# Altium PCB MODULE_GSM_GNSS_v1.1.PcbDoc (part 2 of 2) (continued)
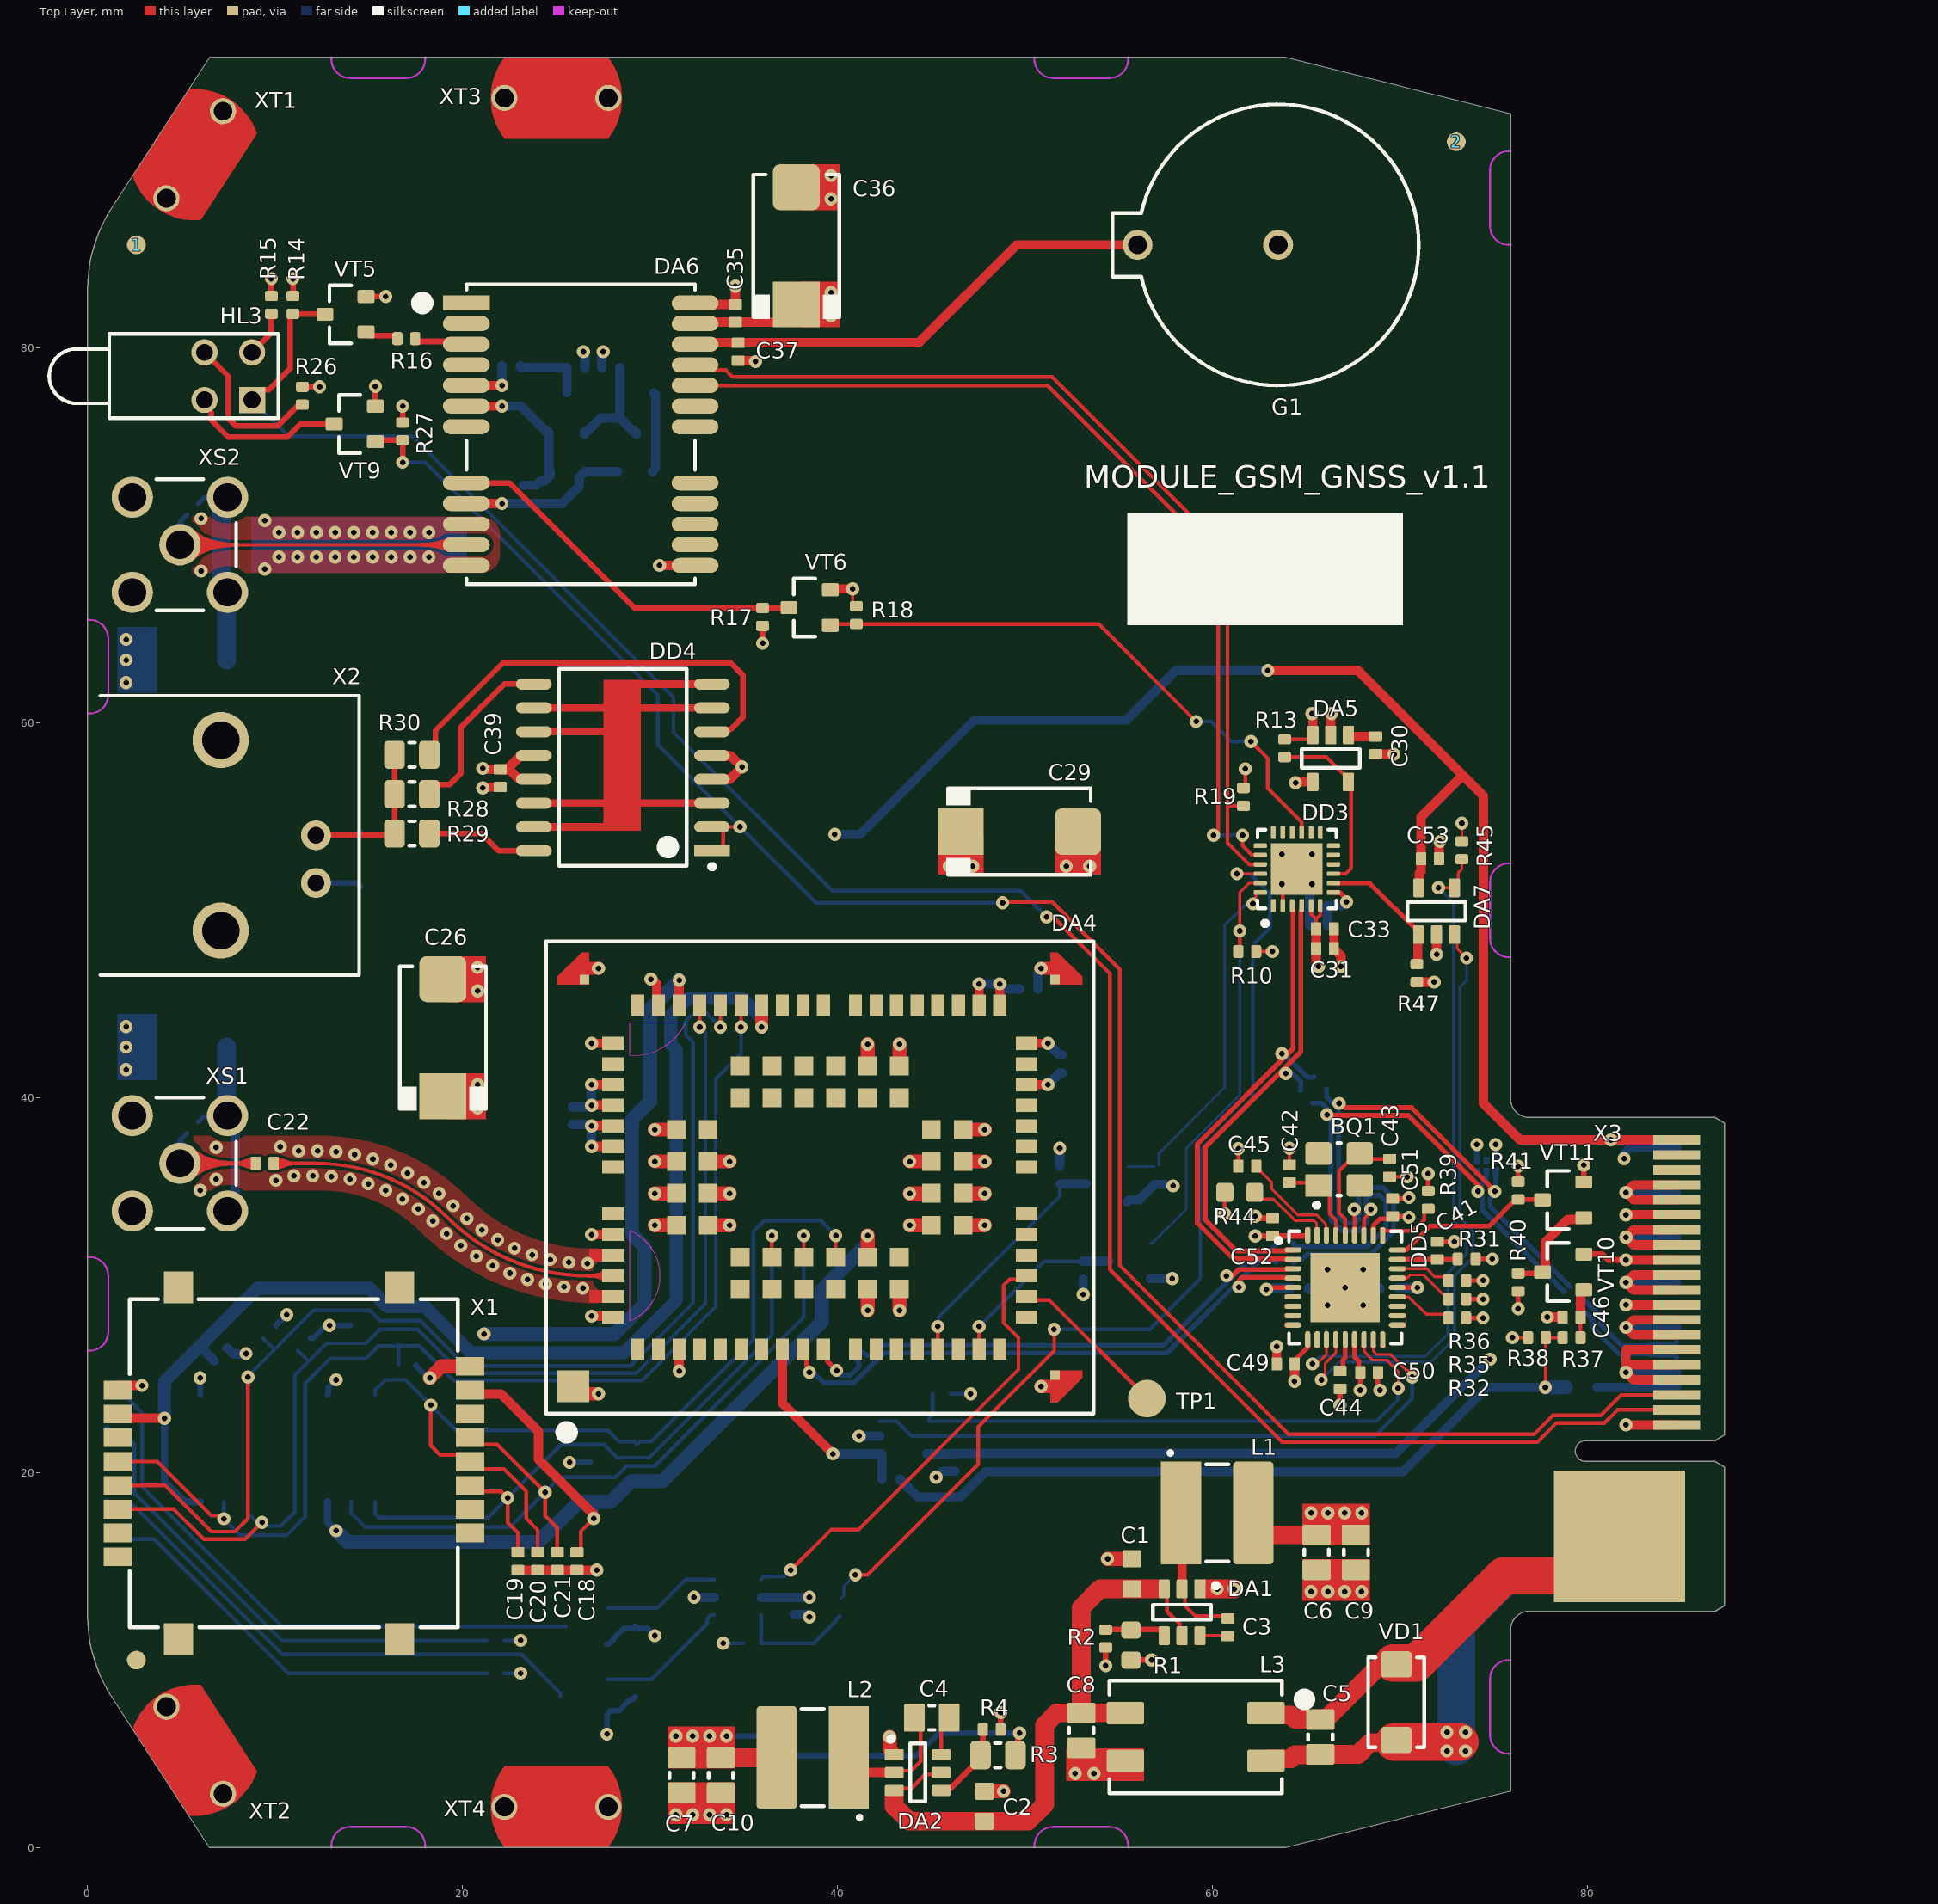
[diagram p0: Top Layer view]
## Nets (pads, with @x,y where several pads share a name; then routed paths per layer and width w, separated by ;. In a path a pad name is that pad's centre, name@x,y a point inside that pad or via, vN(x,y) a via of type N, cw(c..) or ccw(c..) an arc to the next point about the centre after c; other vN are vias at no path point) (continued)
  Top Layer w0.15: DD5.22@69.85,29.375 70.475,29.375 71.4,28.45 72.378,28.45 72.575,28.253 R32.2@72.575,28.25
NetDD5_24: DD5.24 R35.2 | length 3.4
  Top Layer w0.15: DD5.24@69.851,30.376 70.376,30.376 70.55,30.55 71.25,30.55 72.302,29.498 72.378,29.498 72.575,29.301 R35.2@72.575,29.25
NetDD5_25: DD5.25 R36.2 | length 3
  Top Layer w0.15: DD5.25@69.85,30.875 71.425,30.875 71.85,30.45 72.378,30.45 72.575,30.253 R36.2@72.575,30.25
NetDD5_27: DD5.27 R41.1 VT11.3 | length 8.9
  Top Layer w0.25: DD5.27@69.85,31.875 69.856,31.881 70.331,31.881 71.6,33.15 74.75,33.15 76.175,34.575 R41.1@76.3,34.575 77.575,34.575 VT11.3@77.6,34.55
NetDD5_28: DD5.28 R39.2 | length 3.4
  Top Layer w0.2: DD5.28@69.075,32.65 69.075,32.863 69.112,32.9 70.7,32.9 71.3,33.5 R39.2@71.3,34.15
NetDD5_35: DD5.35 R44.2 | length 4.5
  Top Layer w0.15: R44.2@62.2,34.6 63.25,34.6 64.4,33.45 65.4,33.45 65.55,33.3 65.55,32.675 DD5.35@65.575,32.65
NetHL1_A: HL1.A R5.1 | length 26.5
  Bottom Layer w0.2: HL1.A@1,22.45 1.3,22.15 1.85,22.15 2.5,21.5 2.5,18.9 10.35,11.05 R5.1@21.275,11.05
NetHL1_C: HL1.C VT1.3 | length 32.1
  Bottom Layer w0.2: HL1.C@1,24.55 1.287,24.263 1.837,24.263 2.9,23.2 2.9,19.25 10.35,11.8 VT1.3@25.5,11.8
NetHL2_A: HL2.A R7.1 | length 23.3
  Bottom Layer w0.2: HL2.A@1,16.45 3.55,16.45 10.7,9.3 R7.1@21.3,9.3
NetHL2_C: HL2.C VT2.3 | length 28.7
  Bottom Layer w0.2: HL2.C@1,18.55 1.3,18.25 2.45,18.25 10.4,10.3 23.15,10.3 25.2,8.25 VT2.3@25.2,8.05
NetHL3_A1: HL3.A1 R15.1 | length 2.4
  Top Layer w0.3: HL3.A1@8.77,79.77 9.8,80.8 R15.1@9.8,81.75
NetHL3_A2: HL3.A2 R26.1 | length 8.6
  Top Layer w0.3: HL3.A2@6.23,79.77 7.5,78.5 7.5,76.25 7.9,75.85 10.15,75.85 11.275,76.975 R26.1@11.45,76.975
NetHL3_C2: HL3.C2 VT9.3 | length 8.4
  Top Layer w0.3: HL3.C2@6.23,77.23 6.23,76.932 6.6,76.562 6.6,76.15 7.5,75.25 10.65,75.25 11.35,75.95 VT9.3@13.15,75.95
NetR16_2: R16.2 VT5.1 | length 1.8
  Top Layer w0.3: VT5.1@14.85,80.85 15.05,80.65 16.4,80.65 16.525,80.525 R16.2@16.525,80.5
NetR21_2: R21.2 VT7.2 | length 4.3
  Bottom Layer w0.5: R21.2@30.13,73.4 30.3,73.57 30.3,77.5 VT7.2@30.2,77.6
NetR22_1: R22.1 VT7.1 VT7.3 VT8.1 | length 6.3
  Bottom Layer w0.5: VT8.1@26.5,75.4 26.5,75.5 26.6,75.6 26.7,75.6 27.375,76.275 28.375,76.275 ; R22.1@28.375,78.95 28.375,76.275 ; VT7.3@29.25,75.4 29.25,75.5 29.15,75.6 29.05,75.6 28.375,76.275
NetR23_2: R23.2 R24.2 VT8.3 | length 3.9
  Bottom Layer w0.5: R24.2@23.075,79.05 23.075,78.98 23.1,78.955 23.17,78.955 23.175,78.95 R23.2@25.575,78.95 VT8.3@25.575,77.625
NetR28_2: R28.2 R29.2 R30.2 VD5.C X2.1 | length 10.7
  Top Layer w0.3: X2.1@12.18,54 R29.2@16.22,54 ; R29.2@16.37,54.1 R28.2@16.37,56.2 R30.2@16.37,58.3
  Bottom Layer w0.3: X2.1@12.18,54 14.375,54 VD5.C@14.55,54.175
NetR40_2: R40.2 VT10.3 VT11.1 | length 5.5
  Top Layer w0.3: R40.2@76.3,30.625 VT10.3@77.525,30.625
  Top Layer w0.5: VT10.3@77.6,30.7 77.65,30.7 77.75,30.8 77.75,32.3 78.95,33.5 79.7,33.5 VT11.1@79.8,33.6
PPS_IN: HL3.C1 R14.1 VT5.3 X3.3 | length 117.4
  Top Layer w0.2: v1(51.15,49.65) 51.5,49.65 54.52,46.63 54.52,30.83 63.724,21.626 77.326,21.626 78.35,22.65 80.9,22.65 81.6,23.35 X3.3@84.75,23.35
  Top Layer w0.3: HL3.C1@8.77,77.23 9.308,77.768 9.668,77.768 10.8,78.9 R14.1@10.8,81.8 ; R14.1@10.975,81.8 VT5.3@12.65,81.8
  Bottom Layer w0.2: HL3.C1@8.77,77.23 10.7,75.3 17.3,75.3 31.25,61.35 31.25,59.5 39.7,51.05 49.75,51.05 v1(51.15,49.65)
PPS_OUT: DD4.1 DD4.2 R27.1 VT9.1 X3.5 | length 106.5
  Top Layer w0.2: DD4.2@33.3,54.45 DD4.2@33.9,54.45 ; DD4.1@33.9,53.18 DD4.2@33.9,54.45 ; v1(34.8,54.45) DD4.2@33.9,54.45 ; v1@48.7,50.45 51.45,50.45 55.05,46.85 55.05,31.05 64.05,22.05 77.15,22.05 78.15,23.05 80.7,23.05 81.8,24.15 X3.5@84.75,24.15
  Top Layer w0.3: VT9.1@15.425,75.075 R27.1@16.8,75.075 v1(16.8,73.9)
  Bottom Layer w0.2: v1(16.8,73.9) 18,73.9 30.405,61.495 30.405,58.845 v1(34.8,54.45) 38.85,50.4 v1(48.8,50.4)
SHIELD: C27.1 C40.1 XT1.1 XT2.1 XT3.1 XT4.1
  other v1: 2.05,41.5 2.05,42.7 2.05,43.8 2.05,62.15 2.05,63.35 2.05,64.45
SIM1_CLK: C17.1 DA4.46 DD1.6 VD2.1 X1.B3 | length 62
  Top Layer w0.2: X1.B3@1.6,18.05 4.6,18.05 6.2,16.45 8.4,16.45 v1(9.3,17.35) ; v1(32.65,43.775) DA4.46@32.65,44.925
  Bottom Layer w0.2: DD1.6@8.535,18.45 8.535,17.865 9.25,17.15 10.3,17.15 11.05,17.9 11.05,25.2 12.75,26.9 VD2.1@14,26.9 14.85,26.9 15.6,27.65 17.6,27.65 19.95,25.3 29.25,25.3 32.95,29 32.95,43.475 v1(32.65,43.775) ; C17.1@11.214,26.514 11.775,25.953
SIM1_IO: C15.1 DA4.45 DD1.3 VD2.3 X1.B7 | length 64.1
  Top Layer w0.2: X1.B7@1.6,19.32 4.13,19.32 6.6,16.85 7.85,16.85 8.55,17.55 v1(8.55,25.1) ; v1(33.75,43.775) DA4.45@33.75,44.925
  Bottom Layer w0.2: DD1.3@8.535,24.15 8.535,25.135 12.05,28.65 15.05,28.65 15.6,28.1 17.75,28.1 20.15,25.7 28.95,25.7 32.3,29.05 32.3,42.95 31.9,43.35 31.9,44.1 32.3,44.5 33.025,44.5 v1(33.75,43.775) ; C15.1@9.364,27.164 9.95,26.578
SIM1_RST: C14.2 DA4.44 DD1.7 VD2.5 X1.B2 | length 62.9
  Top Layer w0.2: X1.B2@1.6,20.59 3.71,20.59 6.6,17.7 v1@7.3,17.7 ; v1(34.85,43.775) DA4.44@34.85,44.925
  Bottom Layer w0.2: DD1.7@7.265,18.45 v1(7.265,17.535) 8.15,16.65 10.6,16.65 11.6,17.65 11.6,24.75 12.95,26.1 14.85,26.1 15.5,26.75 VD2.5@16.575,26.75 ; C14.2@16.575,25.75 VD2.5@16.575,26.75 ; VD2.5@16.575,26.825 VD2.5@16.575,26.75 ; v1(34.85,43.775) 34.85,42.35 33.5,41 33.5,28.85 29.56,24.91 19.54,24.91 17.7,26.75 VD2.5@16.575,26.75
SIM1_VCC: C16.1 DA4.43 DD1.8 VD2.4 X1.B1 | length 65.8
  Top Layer w0.5: X1.B1@1.6,23.13 1.83,22.9 v1(4.1,22.9)
  Top Layer w0.7: v1(35.95,43.775) DA4.43@35.95,44.925
  Bottom Layer w0.4: v1(4.1,22.9) 4.1,19.5 5.15,18.45 DD1.8@5.995,18.45
  Bottom Layer w0.5: 6.053,26.675 C16.1@6.764,25.964
  Bottom Layer w0.7: v1(4.1,22.9) 4.1,24.85 9.1,29.85 15,29.85 16,28.85 18,28.85 20.45,26.4 28.6,26.4 31.4,29.2 31.4,42.55 31.1,42.85 31.1,44.4 32,45.3 34.9,45.3 35.95,44.25 v1(35.95,43.775)
SIM2_CLK: C19.1 DA4.84 DD2.6 VD3.3 X1.A3 | length 38.4
  Top Layer w0.2: X1.A3@20.4,19.32 20.72,19 22.05,19 v1(22.4,18.65) 22.4,17.35 22.95,16.8 C19.1@22.95,15.75 ; DA4.84@36.5,31.5 v1(36.5,32.65)
  Bottom Layer w0.2: DD2.6@15.335,18.45 15.335,17.815 15.55,17.6 21.35,17.6 v1(22.4,18.65) 25.25,21.5 27.55,21.5 28.25,20.8 29.95,20.8 36.5,27.35 v1(36.5,32.65)
SIM2_IO: C20.1 DA4.86 DD2.3 VD3.4 X1.A7 | length 48
  Top Layer w0.2: v1(18.3,23.6) 18.3,21.45 18.8,20.95 20.04,20.95 X1.A7@20.4,20.59 20.79,20.2 22.2,20.2 23.4,19 23.4,17.55 24,16.95 C20.1@24,15.75 ; DA4.86@39.9,31.5 v1(39.9,32.65)
  Bottom Layer w0.2: DD2.3@15.335,24.15 15.335,24.385 15.9,24.95 16.95,24.95 v1(18.3,23.6) 19.65,22.25 27.75,22.25 28.35,21.65 29.15,21.65 VD3.4@29.3,21.5 29.45,21.65 30.05,21.65 35.5,27.1 35.5,32.85 36.1,33.45 39.1,33.45 v1(39.9,32.65)
SIM2_RST: C21.1 DA4.85 DD2.7 VD3.1 X1.A2 | length 43.9
  Top Layer w0.2: X1.A2@20.4,21.86 20.76,21.5 21.85,21.5 v1(24.4,18.95) 24.4,17.7 25.05,17.05 C21.1@25.05,15.75 ; DA4.85@38.2,31.5 v1(38.2,32.65)
  Bottom Layer w0.2: DD2.7@14.065,18.45 14.065,17.835 14.8,17.1 22.55,17.1 v1(24.4,18.95) 25.2,19.75 28.15,19.75 28.75,20.35 30.25,20.35 38.2,28.3 v1(38.2,32.65)
SIM2_VCC: C18.2 DA4.87 DD2.8 VD3.5 X1.A1 | length 53
  Top Layer w0.2: C18.2@26.1,15.75 26.125,15.75 26.3,15.925 26.3,16.85 v1(27,17.55)
  Top Layer w0.5: X1.A1@20.4,24.4 20.6,24.2 22.05,24.2 24.05,22.2 24.05,20.7 27,17.75 v1(27,17.55)
  Top Layer w0.75: DA4.87@41.6,31.5 v1(41.6,32.65)
  Bottom Layer w0.4: DD2.8@12.795,18.45 12.795,17.355 v1(13.25,16.9)
  Bottom Layer w0.5: v1(27,17.55) 27,18.4
  Bottom Layer w0.75: v1(13.25,16.9) 13.85,16.3 24.05,16.3 26.2,18.45 27.9,18.45 29,19.55 30.65,19.55 39.15,28.05 39.15,29.75 41.6,32.2 v1(41.6,32.65)
SIM_GND: C14.1 C15.2 C16.2 C17.2 C18.1 C19.2 C20.2 C21.2 DA4.47 DD1.1 DD2.1 VD2.2 VD3.2 X1.A5 X1.B5 | length 45.4
  Top Layer w0.5: X1.B5@1.6,24.65 v1(2.9,24.65) ; C19.2@22.95,14.8 C21.2@25.05,14.8 v1(27.15,14.8) ; DA4.47@31.55,44.925 v1(31.55,46.275)
  Top Layer w0.75: v1(18.25,25.05) 18.87,25.67 X1.A5@20.4,25.67
  Bottom Layer w0.3: DD1.1@5.995,24.15 v1(5.995,25.055) ; C15.2@10.036,27.836 v1(10.625,28.425) ; C17.2@11.886,27.186 12.036,27.186 12.623,27.773 12.823,27.773 v1(12.9,27.85) VD2.2@14,27.85 ; DD2.1@12.795,24.15 12.845,24.2 12.845,24.545 v1(13.25,24.95) ; C14.1@17.525,25.75 17.525,25.68 18.055,25.15 v1@18.35,25.15 ; v1(25.7,20.55) VD3.2@26.8,20.55
  Bottom Layer w0.5: C16.2@7.436,26.636 7.471,26.636 7.779,26.328 8.272,26.328 v1@8.3,26.3
  Bottom Layer w0.75: v1(21.15,27.4) 28.1,27.4 29.7,29 29.7,32.05 29.05,32.7 29.05,38.85 30,39.8 30,44.725 v1(31.55,46.275)
  other v1: 8.45,26.35
USB1_D_N: DD3.4 DD5.1 R43.2 | length 25.6
  Top Layer w0.265: DD5.1@64.3,31.875 63.986,31.875 63.943,31.832 63.717,31.832 61.268,31.832 59.6,33.5 59.6,37.35 64.707,42.457 64.707,49.997 64.75,50.04 DD3.4@64.75,50.25
  Bottom Layer w0.265: v1@64.103,41.403 64.16,41.403 64.714,40.85 64.714,40.435 R43.2@64.664,40.386
  other v1: 63.9,41.3
USB1_D_P: DD3.3 DD5.2 R42.2 | length 26.9
  Top Layer w0.265: DD3.3@64.25,50.25 64.25,50.04 64.293,49.997 64.293,42.629 59.185,37.522 59.185,33.328 61.096,31.418 63.545,31.418 63.943,31.418 63.986,31.375 DD5.2@64.3,31.375
  Bottom Layer w0.265: v1@63.922,42.172 63.978,42.172 65.064,41.086 65.365,41.086 R42.2@65.414,41.136
  other v1: 63.7,42.35
USB1_VCC: DA7.1 DD3.8 R47.1 | length 7.4
  Top Layer w0.25: DD3.8@66.45,51.45 68.375,51.45 71,48.825 DA7.1@71,48.7
  Top Layer w0.5: R47.1@70.85,47.125 R47.1@70.9,47.125 70.92,47.125 70.945,47.15 70.945,47.22 70.95,47.225 70.95,48.65 DA7.1@71,48.7
USB2_D_N: DA4.10 DD5.3 R49.1 | length 32.1
  Top Layer w0.265: DA4.10@39.25,26.575 39.468,26.357 39.468,25.932 v1(39.95,25.45) ; v1(60.75,30.5) 61.064,30.5 61.396,30.832 63.943,30.832 63.986,30.875 DD5.3@64.3,30.875
  Bottom Layer w0.265: v1@40.1,25.2 40.7,25.2 41.075,25.575 ccw(c40.888,25.762) 41.075,25.949 41.016,26.009 cw(c41.203,26.196) 41.016,26.383 cw(c41.203,26.196) 41.39,26.383 41.449,26.324 ccw(c41.636,26.511) 41.824,26.324 42,26.5 42.3,26.8 57.4,26.8 62.415,31.815 63.01,31.815 63.375,32.18 R49.1@63.375,32.25
USB2_D_P: DA4.9 DD5.4 R48.1 | length 32.7
  Top Layer w0.265: DA4.9@38.15,26.575 38.35,26.375 38.35,25.723 38.417,25.656 38.417,25.433 v1(38.5,25.35) ; v1(61.4,29.9) 61.4,30.25 61.568,30.418 63.943,30.418 63.986,30.375 DD5.4@64.3,30.375
  Bottom Layer w0.265: v1(38.5,25.35) 38.7,25.35 39.265,24.785 40.872,24.785 42.472,26.385 57.572,26.385 62.586,31.4 63.245,31.4 63.375,31.27 R48.1@63.375,31.2
USB2_VCC: DA4.8 DA8.1 R50.1 | length 10.6
  Top Layer w0.5: DA4.8@37.05,26.575 37.05,23.7 v1(39.75,21)
  Bottom Layer w0.5: v1(39.75,21) DA8.1@42.25,21 ; DA8.1@42.325,21 42.375,20.95 R50.1@42.375,19.65
USB_HOSR_PWR: L4.1 X3.8 | length 4.3
  Bottom Layer w0.5: L4.1@80.5,24.55 X3.8@84.75,24.55
USB_HOST_D_N: R33.1 X3.12 | length 6.7
  Bottom Layer w0.265: R33.1@79.465,28.985 80.285,28.165 80.285,27.728 81.671,26.343 83.296,26.343 83.371,26.268 84.632,26.268 X3.12@84.75,26.15
USB_HOST_D_P: R34.1 X3.14 | length 6.4
  Bottom Layer w0.265: R34.1@79.758,29.278 80.7,28.336 80.7,27.9 81.843,26.757 83.296,26.757 83.371,26.832 84.632,26.832 X3.14@84.75,26.95
USB_RESET: DA5.5 DD3.9 R13.1 | length 9.8
  Top Layer w0.2: R13.1@63.85,58.175 66.075,58.175 67,57.25 67.05,57.25 67.25,57.05 DA5.5@67.25,56.85 67.4,56.7 67.4,52.25 67.1,51.95 DD3.9@66.45,51.95
VIN+: C5.2 L3.2 VD1.2 X3.P1 | length 23.2
  Top Layer w1: L3.2@62.85,7.17 62.95,7.07 64.18,7.07 64.399,6.851 65.729,6.851 C5.2@65.75,6.83 65.8,6.88 66.08,6.88 68.765,9.565 69.6,9.565 VD1.2@69.8,9.765
  Top Layer w2: VD1.2@69.65,9.85 70.885,9.85 75.535,14.5 79.6,14.5 X3.P1@81.7,16.6
VIN-: C5.1 L3.1 VD1.1 X3.P2 | length 28
  Top Layer w1: L3.1@62.85,4.63 62.95,4.73 64.18,4.73 64.399,4.949 65.729,4.949 C5.1@65.75,4.97 67.77,4.97 68.398,5.598 69.663,5.598 69.7,5.635 VD1.1@69.8,5.735
  Top Layer w2: VD1.1@69.7,5.635 73.185,5.635
  Bottom Layer w2: 73,5.4 73,11.9 75.6,14.5 79.6,14.5 X3.P2@81.7,16.6
  other v1: 72.5,5.15 73.5,5.15 72.5,6.15 73.5,6.15
pads on no net: 1.FM 2.FM 3.FM 4.FM 5.FM ?.FM BQ1.2 BQ1.4 DA4.1 DA4.2 DA4.4 DA4.5 DA4.6 DA4.7 DA4.11 DA4.12 DA4.13 DA4.14 DA4.16 DA4.18 DA4.19 DA4.22 DA4.23 DA4.24 DA4.25 DA4.26 DA4.27 DA4.28 DA4.30 DA4.34 DA4.35 DA4.36 DA4.37 DA4.38 DA4.39 DA4.40 DA4.41 DA4.42 DA4.49 DA4.51 DA4.56 DA4.57 DA4.63 DA4.64 DA4.65 DA4.66 DA4.75 DA4.76 DA4.77 DA4.78 DA4.83 DA4.88 DA4.92 DA4.93 DA4.94 DA4.95 DA4.96 DA4.97 DA4.98 DA4.99 DA6.1 DA6.2 DA6.4 DA6.7 DA6.14 DA6.15 DA6.16 DA6.17 DA6.18 DA6.19 DD1.2 DD1.4 DD1.5 DD1.EP DD2.2 DD2.4 DD2.5 DD2.EP DD3.1 DD3.10 DD3.11 DD3.12 DD3.13 DD3.14 DD3.16 DD3.17 DD3.18 DD3.19 DD5.6 DD5.7 DD5.8 DD5.9 DD5.11 DD5.18 DD5.19 DD5.20 DD5.21 VD6.3 VD6.5 X1.0 X1.A4 X1.A6 X1.A8 X1.B4 X1.B6 X1.B8 X2.0 X3.2 X3.4 X3.6 X3.18 X3.20 X3.24 X3.26 X3.30 X3.32 X3.35 X3.36 X3.37 X3.38 XT1.0 XT2.0 XT3.0 XT4.0

## Polygon pours and split planes (outlines as drawn)
GND on Top Layer "GND" (solid, pour order 4): 5.653,37.958 12.384,37.958 cw(c12.384,26.834) 20.25,34.7 ccw(c26.889,41.339) 26.889,31.95 28.6,31.95 28.6,29.05 27.021,29.05 cw(c27.021,42.258) 17.681,32.919 17.65,32.95 ccw(c12.586,27.886) 12.586,35.047 5.653,35.047
GND on Top Layer "GND" (solid, pour order 0): 22,70 22,69 cw(c21,69) 21,68 5.6,68 5.6,71 21,71 cw(c21,70)
GND on Bottom Layer "GND" (solid, pour order 6): 8.65,37.958 12.384,37.958 cw(c12.384,26.834) 20.25,34.7 ccw(c26.889,41.339) 26.889,31.95 28.6,31.95 28.6,29.05 27.021,29.05 cw(c27.021,42.258) 17.681,32.919 17.65,32.95 ccw(c12.586,27.886) 12.586,35.047 8.65,35.047
SIM_GND on Int1 (GND) (split plane): 27.948,21.508 27.948,14.392 24.678,11.122 24.656,11.089 24.648,11.05 24.648,5.102 10.804,5.102 5.778,10.128 5.726,10.168 5.665,10.194 5.6,10.202 0.832,10.202 0.831,10.204 0.733,10.558 0.652,10.917 0.589,11.28 0.544,11.645 0.517,12.011 0.509,12.361 0.51,12.379 0.51,29.198 20.258,29.198
SHIELD on Int1 (GND) (split plane): 28.948,91.054 27.896,90.002 10.35,90.002 10.285,89.994 10.224,89.968 10.172,89.928 4.744,84.501 4.704,84.449 4.679,84.388 4.67,84.322 4.67,40.902 0.51,40.902 0.51,83.121 0.509,83.139 0.517,83.489 0.544,83.855 0.589,84.22 0.652,84.583 0.733,84.942 0.831,85.296 0.946,85.645 1.079,85.988 1.228,86.324 1.393,86.653 1.574,86.973 1.714,87.193 1.715,87.195 1.717,87.198 1.719,87.2 6.777,94.99 28.948,94.99
SHIELD on Int1 (GND) (split plane): 5.496,9.698 10.522,4.672 10.574,4.632 10.635,4.606 10.7,4.598 27.746,4.598 29.298,3.046 29.298,0.51 6.777,0.51 1.719,8.3 1.717,8.302 1.715,8.305 1.714,8.307 1.574,8.527 1.393,8.847 1.228,9.176 1.079,9.512 1.007,9.698
GND on Int1 (GND) (split plane): 151 vertices, not listed, extent 0.51,0.51 86.79,94.99
+5V_EXT on Int1 (GND) (split plane): 86.79,38.361 86.79,26.102 78.1,26.102 78.061,26.094 78.028,26.072 77.558,25.602 74.542,25.602 74.302,25.842 74.302,26.258 74.492,26.448 77.15,26.448 77.189,26.456 77.222,26.478 77.642,26.898 83.75,26.898 83.789,26.906 83.822,26.928 84.722,27.828 84.744,27.861 84.752,27.9 84.752,36.7 84.744,36.739 84.722,36.772 84.172,37.322 84.139,37.344 84.1,37.352 80.934,37.352 80.752,37.534 80.752,38.44 86.659,38.44
SHIELD on Int2 (PWR) (split plane): 5.496,9.698 10.522,4.672 10.574,4.632 10.635,4.606 10.7,4.598 27.746,4.598 29.298,3.046 29.298,0.51 6.777,0.51 1.719,8.3 1.717,8.302 1.715,8.305 1.714,8.307 1.574,8.527 1.393,8.847 1.228,9.176 1.079,9.512 1.007,9.698
+3V8 on Int2 (PWR) (split plane): 20.248,56.15 20.256,56.111 20.278,56.078 22.978,53.378 23.011,53.356 23.05,53.348 40.1,53.348 40.139,53.356 40.172,53.378 40.522,53.728 40.544,53.761 40.552,53.8 40.552,54.268 54.988,54.268 58.448,50.808 58.448,41.452 50.95,41.452 50.911,41.444 50.878,41.422 50.228,40.772 50.206,40.739 50.198,40.7 50.198,32.542 47.408,29.752 38.6,29.752 38.561,29.744 38.528,29.722 36.128,27.322 36.106,27.289 36.098,27.25 36.098,20.75 36.106,20.711 36.128,20.678 37.698,19.108 37.698,13.228 37.706,13.189 37.728,13.156 38.156,12.728 38.189,12.706 38.228,12.698 38.95,12.698 38.989,12.706 39.022,12.728 39.772,13.478 39.794,13.511 39.802,13.55 39.802,19.35 39.794,19.389 39.772,19.422 38.702,20.492 38.702,23.898 41.55,23.898 41.589,23.906 41.622,23.928 43.092,25.398 51.208,25.398 52.898,23.708 52.898,0.51 29.802,0.51 29.802,3.15 29.794,3.215 29.776,3.258 29.768,3.276 29.751,3.299 29.728,3.328 28.028,5.028 27.976,5.068 27.915,5.094 27.85,5.102 10.804,5.102 5.778,10.128 5.726,10.168 5.665,10.194 5.6,10.202 0.832,10.202 0.831,10.204 0.733,10.558 0.652,10.917 0.589,11.28 0.544,11.645 0.517,12.011 0.509,12.361 0.51,12.379 0.51,40.398 4.922,40.398 4.988,40.406 5.049,40.432 5.101,40.472 5.141,40.524 5.166,40.585 5.175,40.65 5.175,56.548 8.65,56.548 8.689,56.556 8.722,56.578 9.842,57.698 20.248,57.698
SHIELD on Int2 (PWR) (split plane): 28.948,91.054 27.896,90.002 10.35,90.002 10.285,89.994 10.224,89.968 10.172,89.928 4.744,84.501 4.704,84.449 4.679,84.388 4.67,84.322 4.67,40.902 0.51,40.902 0.51,83.121 0.509,83.139 0.517,83.489 0.544,83.855 0.589,84.22 0.652,84.583 0.733,84.942 0.831,85.296 0.946,85.645 1.079,85.988 1.228,86.324 1.393,86.653 1.574,86.973 1.714,87.193 1.715,87.195 1.717,87.198 1.719,87.2 6.777,94.99 28.948,94.99
+3V3 on Int2 (PWR) (split plane): 75.39,92.101 75.39,55.952 71.25,55.952 71.211,55.944 71.178,55.922 70.078,54.822 70.056,54.789 70.048,54.75 70.048,42.25 70.056,42.211 70.078,42.178 74.498,37.758 74.498,37.2 74.506,37.161 74.528,37.128 74.928,36.728 74.961,36.706 75,36.698 76.558,36.698 84.698,28.558 84.698,25.892 84.258,25.452 77.4,25.452 77.361,25.444 77.328,25.422 77.028,25.122 77.006,25.089 76.998,25.05 76.998,24.1 77.006,24.061 77.028,24.028 79.153,21.902 79.15,21.9 79.059,21.795 78.982,21.68 78.92,21.556 78.876,21.424 78.849,21.288 78.84,21.15 78.849,21.012 78.876,20.876 78.92,20.744 78.982,20.62 79.059,20.505 79.15,20.4 79.255,20.309 79.37,20.232 79.494,20.17 79.626,20.126 79.762,20.099 79.894,20.09 79.9,20.09 86.659,20.09 86.79,20.011 86.79,13.189 86.659,13.11 76.9,13.11 76.898,13.11 76.731,13.101 76.564,13.073 76.401,13.026 76.245,12.961 76.096,12.879 75.958,12.781 75.832,12.668 75.719,12.542 75.621,12.404 75.539,12.255 75.474,12.099 75.427,11.936 75.399,11.769 75.39,11.602 75.39,11.6 75.39,3.399 63.837,0.51 53.102,0.51 53.102,23.75 53.094,23.789 53.072,23.822 51.322,25.572 51.289,25.594 51.25,25.602 43.05,25.602 43.011,25.594 42.978,25.572 41.508,24.102 38.642,24.102 37.802,24.942 37.802,26.558 38.842,27.598 56.4,27.598 56.439,27.606 56.472,27.628 58.622,29.778 58.644,29.811 58.652,29.85 58.652,50.85 58.644,50.889 58.622,50.922 55.102,54.442 55.069,54.464 55.03,54.472 40.492,54.472 39.642,55.322 39.609,55.344 39.57,55.352 24.492,55.352 21.572,58.272 21.539,58.294 21.5,58.302 20.75,58.302 20.711,58.294 20.678,58.272 20.308,57.902 9.8,57.902 9.761,57.894 9.728,57.872 8.608,56.752 5.175,56.752 5.175,67.898 22,67.898 22.039,67.906 22.072,67.928 22.094,67.961 22.102,68 22.102,71 22.094,71.039 22.072,71.072 22.039,71.094 22,71.102 5.175,71.102 5.175,84.218 10.454,89.498 28,89.498 28.065,89.506 28.126,89.532 28.178,89.572 29.378,90.772 29.396,90.794 29.418,90.824 29.444,90.885 29.452,90.95 29.452,94.99 63.837,94.99
+1V8_GSM on Int2 (PWR) (split plane): 58.448,29.892 56.358,27.802 38.8,27.802 38.761,27.794 38.728,27.772 37.628,26.672 37.606,26.639 37.598,26.6 37.598,24.9 37.606,24.861 37.628,24.828 38.498,23.958 38.498,20.45 38.506,20.411 38.528,20.378 39.598,19.308 39.598,13.592 38.908,12.902 38.27,12.902 37.902,13.27 37.902,19.15 37.894,19.189 37.872,19.222 36.302,20.792 36.302,27.208 38.642,29.548 47.45,29.548 47.489,29.556 47.522,29.578 50.372,32.428 50.394,32.461 50.402,32.5 50.402,40.658 50.992,41.248 58.448,41.248
HUB_VCC on Int2 (PWR) (split plane): 75.39,39.95 75.39,39.948 75.399,39.781 75.427,39.614 75.474,39.451 75.539,39.295 75.621,39.146 75.719,39.008 75.832,38.882 75.958,38.769 76.096,38.671 76.245,38.589 76.401,38.524 76.564,38.477 76.731,38.449 76.857,38.442 76.864,38.441 76.874,38.441 76.898,38.44 76.9,38.44 86.659,38.44 86.79,38.361 86.79,22.289 86.659,22.21 79.9,22.21 79.894,22.21 79.762,22.201 79.626,22.174 79.494,22.13 79.37,22.068 79.314,22.031 77.202,24.142 77.202,25.008 77.442,25.248 84.3,25.248 84.339,25.256 84.372,25.278 84.872,25.778 84.894,25.811 84.902,25.85 84.902,28.6 84.894,28.639 84.872,28.672 76.672,36.872 76.639,36.894 76.6,36.902 75.042,36.902 74.702,37.242 74.702,37.8 74.694,37.839 74.672,37.872 70.252,42.292 70.252,54.708 71.292,55.748 75.39,55.748
GND on Int2 (PWR) (split plane): 21.898,68.102 5.175,68.102 5.175,70.898 21.898,70.898
+5V_EXT on Int2 (PWR) (split plane): 24.378,55.178 24.411,55.156 24.45,55.148 39.528,55.148 40.348,54.328 40.348,53.842 40.058,53.552 23.092,53.552 20.452,56.192 20.452,57.758 20.792,58.098 21.458,58.098

## Other copper
Top Layer:
  rectangle net GND: 51.6,51.9 54.05,53.95
  rectangle net +3V8: 45.35,51.9 47.8,53.95
  region net +3V8: 19.2,41.3 19.2,38.85 21.25,38.85 21.25,41.3
  region net GND: 19.2,47.55 19.2,45.1 21.25,45.1 21.25,47.55
  rectangle net GND: 26.75,29.05 28.025,29.75
  rectangle net GND: 26.75,31.25 28.025,31.95
  region net +3V3: 40.1,81.1 40.1,83.55 38.05,83.55 38.05,81.1
  region net GND: 40.1,87.35 40.1,89.8 38.05,89.8 38.05,87.35
  rectangle net NetDD4_3: 27.5,54.25 29.5,62.3
  region net +3V3: 64.8,18.35 64.8,16.113 68.4,16.113 68.4,18.35
  region net GND: 68.4,13.15 68.4,15.387 64.8,15.387 64.8,13.15
  rectangle net GND: 52.2,3.55 56.35,5.3
  region net GND: 34.525,1.25 34.525,3.487 30.925,3.487 30.925,1.25
  region net +3V8: 30.925,6.45 30.925,4.213 34.525,4.213 34.525,6.45
  pour cut-out: 26.95,30.75 26.95,30.25 ccw(c27.45,30.25) 27.45,29.75 28.6,29.75 28.6,31.25 27.45,31.25 ccw(c27.45,30.75)
  pour cut-out: 6.322,36.5 cw(c4.922,36.5) 4.922,35.1 cw(c4.922,36.5) 3.522,36.5 cw(c4.922,36.5) 4.922,37.9 cw(c4.922,36.5) 6.322,36.5
  pour cut-out: 8.862,39.04 cw(c7.462,39.04) 7.462,37.64 cw(c7.462,39.04) 6.062,39.04 cw(c7.462,39.04) 7.462,40.44 cw(c7.462,39.04) 8.862,39.04
  pour cut-out: 8.862,33.96 cw(c7.462,33.96) 7.462,32.56 cw(c7.462,33.96) 6.062,33.96 cw(c7.462,33.96) 7.462,35.36 cw(c7.462,33.96) 8.862,33.96
  pour cut-out: 6.322,69.5 cw(c4.922,69.5) 4.922,68.1 cw(c4.922,69.5) 3.522,69.5 cw(c4.922,69.5) 4.922,70.9 cw(c4.922,69.5) 6.322,69.5
  pour cut-out: 8.862,66.96 cw(c7.462,66.96) 7.462,65.56 cw(c7.462,66.96) 6.062,66.96 cw(c7.462,66.96) 7.462,68.36 cw(c7.462,66.96) 8.862,66.96
  pour cut-out: 8.862,72.04 cw(c7.462,72.04) 7.462,70.64 cw(c7.462,72.04) 6.062,72.04 cw(c7.462,72.04) 7.462,73.44 cw(c7.462,72.04) 8.862,72.04
  pour cut-out: 18.777,69.896 cw(c19.269,69.404) 19.269,70.1 21.05,70.1 cw(c21.05,69.5) 21.65,69.5 cw(c21.05,69.5) 21.05,68.9 19.269,68.9 cw(c19.269,69.596) 18.777,69.104
Bottom Layer:
  rectangle net SHIELD: 1.6,40.95 3.7,44.47
  rectangle net SHIELD: 1.6,61.6 3.7,65.12
  rectangle net GND: 8.75,68 20.25,71
Int1 (GND) (plane layer: these items are gaps in the copper):
  lines w0.2: -0.15,29.3 20.3,29.3 28.05,21.55 28.05,14.35 24.75,11.05 24.75,4.85 ; 80.45,38.95 80.65,38.75 80.65,37.492 80.892,37.25 84.1,37.25 84.65,36.7 84.65,27.9 83.75,27 77.6,27 77.15,26.55 74.45,26.55 74.2,26.3 74.2,25.8 74.5,25.5 77.6,25.5 78.1,26 87.3,26
  lines w0.5: 0,40.65 4.922,40.65 4.922,84.322 10.35,89.75 28,89.75 29.2,90.95 29.2,95.5 ; 0.4,9.95 5.6,9.95 10.7,4.85 27.85,4.85 29.55,3.15 29.55,0
Int2 (PWR) (plane layer: these items are gaps in the copper):
  lines w0.2: 4.9,56.65 8.65,56.65 9.8,57.8 20.35,57.8 ; 53,0 53,23.75 51.25,25.5 43.05,25.5 41.55,24 38.6,24 ; 58.55,41.35 50.95,41.35 50.3,40.7 50.3,32.5 47.45,29.65 38.6,29.65 36.2,27.25 36.2,20.75 37.8,19.15 37.8,13.228 38.228,12.8 38.95,12.8 39.7,13.55 39.7,19.35 38.6,20.45 38.6,24 ; 75.9,55.85 71.25,55.85 70.15,54.75 70.15,42.25 74.6,37.8 74.6,37.2 75,36.8 76.6,36.8 84.8,28.6 84.8,25.85 84.3,25.35 77.4,25.35 77.1,25.05 77.1,24.1 79.5,21.7 79.9,21.7 ; 20.35,57.8 20.35,56.15 23.05,53.45 40.1,53.45 40.45,53.8 40.45,54.37 ; 20.35,57.8 20.75,58.2 21.5,58.2 24.45,55.25 39.57,55.25 40.45,54.37 ; 38.6,24 37.7,24.9 37.7,26.6 38.8,27.7 56.4,27.7 58.55,29.85 58.55,50.85 55.03,54.37 40.45,54.37 ; 4.922,68 22,68 22,71 4.922,71 4.922,68
  lines w0.5: 0,40.65 4.922,40.65 4.922,84.322 10.35,89.75 28,89.75 29.2,90.95 29.2,95.5 ; 0.4,9.95 5.6,9.95 10.7,4.85 27.85,4.85 29.55,3.15 29.55,0

## Silkscreen, mask and mechanical layers (free items; w line width, h text height)
Top Overlay:
  region: 70.15,71.2 55.45,71.2 55.45,65.2 70.15,65.2
  text "MODULE_GSM_GNSS_v1.1" at 53.15,72.55 h1.2
Bottom Overlay:
  region: 68.2,79.6 53.5,79.6 53.5,73.6 68.2,73.6
  text "MODULE_GSM_GNSS_v1.1" at 70.3,80.85 h1.2
Top Environment:
  lines w0.1: -2.2,10.935 ccw(c1.8,10.935) -1.555,8.756 ; -2.2,10.935 -2.2,84.565 ; -2.2,10.935 -0.2,10.935 ; -2.2,84.565 cw(c1.8,84.565) -1.555,86.744 ; -2.2,84.565 -0.2,84.565 ; -1.555,8.756 5.806,-2.579 ; -1.555,8.756 0.123,9.846 ; -1.555,86.744 5.806,98.079 ; -1.555,86.744 0.123,85.654 ; -0.2,10.935 ccw(c1.8,10.935) 0.123,9.846 ; -0.2,10.935 -0.2,84.565 ; -0.2,84.565 cw(c1.8,84.565) 0.123,85.654 ; 0.123,9.846 7.484,-1.489 ; 0.123,85.654 7.484,96.989 ; 5.806,-2.579 ccw(c9.161,-0.4) 9.161,-4.4 ; 5.806,-2.579 7.484,-1.489 ; 5.806,98.079 cw(c9.161,95.9) 9.161,99.9 ; 5.806,98.079 7.484,96.989 ; 7.484,-1.489 ccw(c9.161,-0.4) 9.161,-2.4 ; 7.484,96.989 cw(c9.161,95.9) 9.161,97.9 ; 9.161,-4.4 14.989,-4.4 ; 9.161,-4.4 9.161,-2.4 ; 9.161,-2.4 14.989,-2.4 ; 9.161,97.9 14.989,97.9 ; 9.161,97.9 9.161,99.9 ; 9.161,99.9 14.989,99.9 ; 14.989,-4.4 19.989,-4.4 19.989,-2.4 14.989,-2.4 ; 14.989,-4.4 14.989,-2.4 ; 14.989,97.9 19.989,97.9 19.989,99.9 14.989,99.9 ; 14.989,97.9 14.989,99.9
  text "h=17,1mm" at 33.65,-5.95 h4
Bottom Environment:
  text "h=3,25mm" at 33.4,-9.85 h4
Board:
  the board outline again, w0.1
Designer Notes:
  text "УБРАТЬ ПРОВОДНИКИ ИЗ-ПОД DA6" at 16.649,75.509 h1.5

## Text inside footprints (layer, text, board x,y; h text height)
X3: Fab Notes "Chamfer 0,45mm x 30° (both sides)" at 90.622,40.271 h1 r90; Fab Notes "Фаска 0,45mm x 30° (с обеих сторон)" at 89.552,40.331 h1 r90